# Altium PCB FlightControl.PcbDoc (part 2 of 4)
Units mil, origin at the board's own origin, x right, y up, seen from the top; angles counter-clockwise.
Board outline 3041.49 x 3041.4 mil, 2 copper layers (Top Layer, Bottom Layer); 85 components, 57 nets, 277 pads, 426 vias.
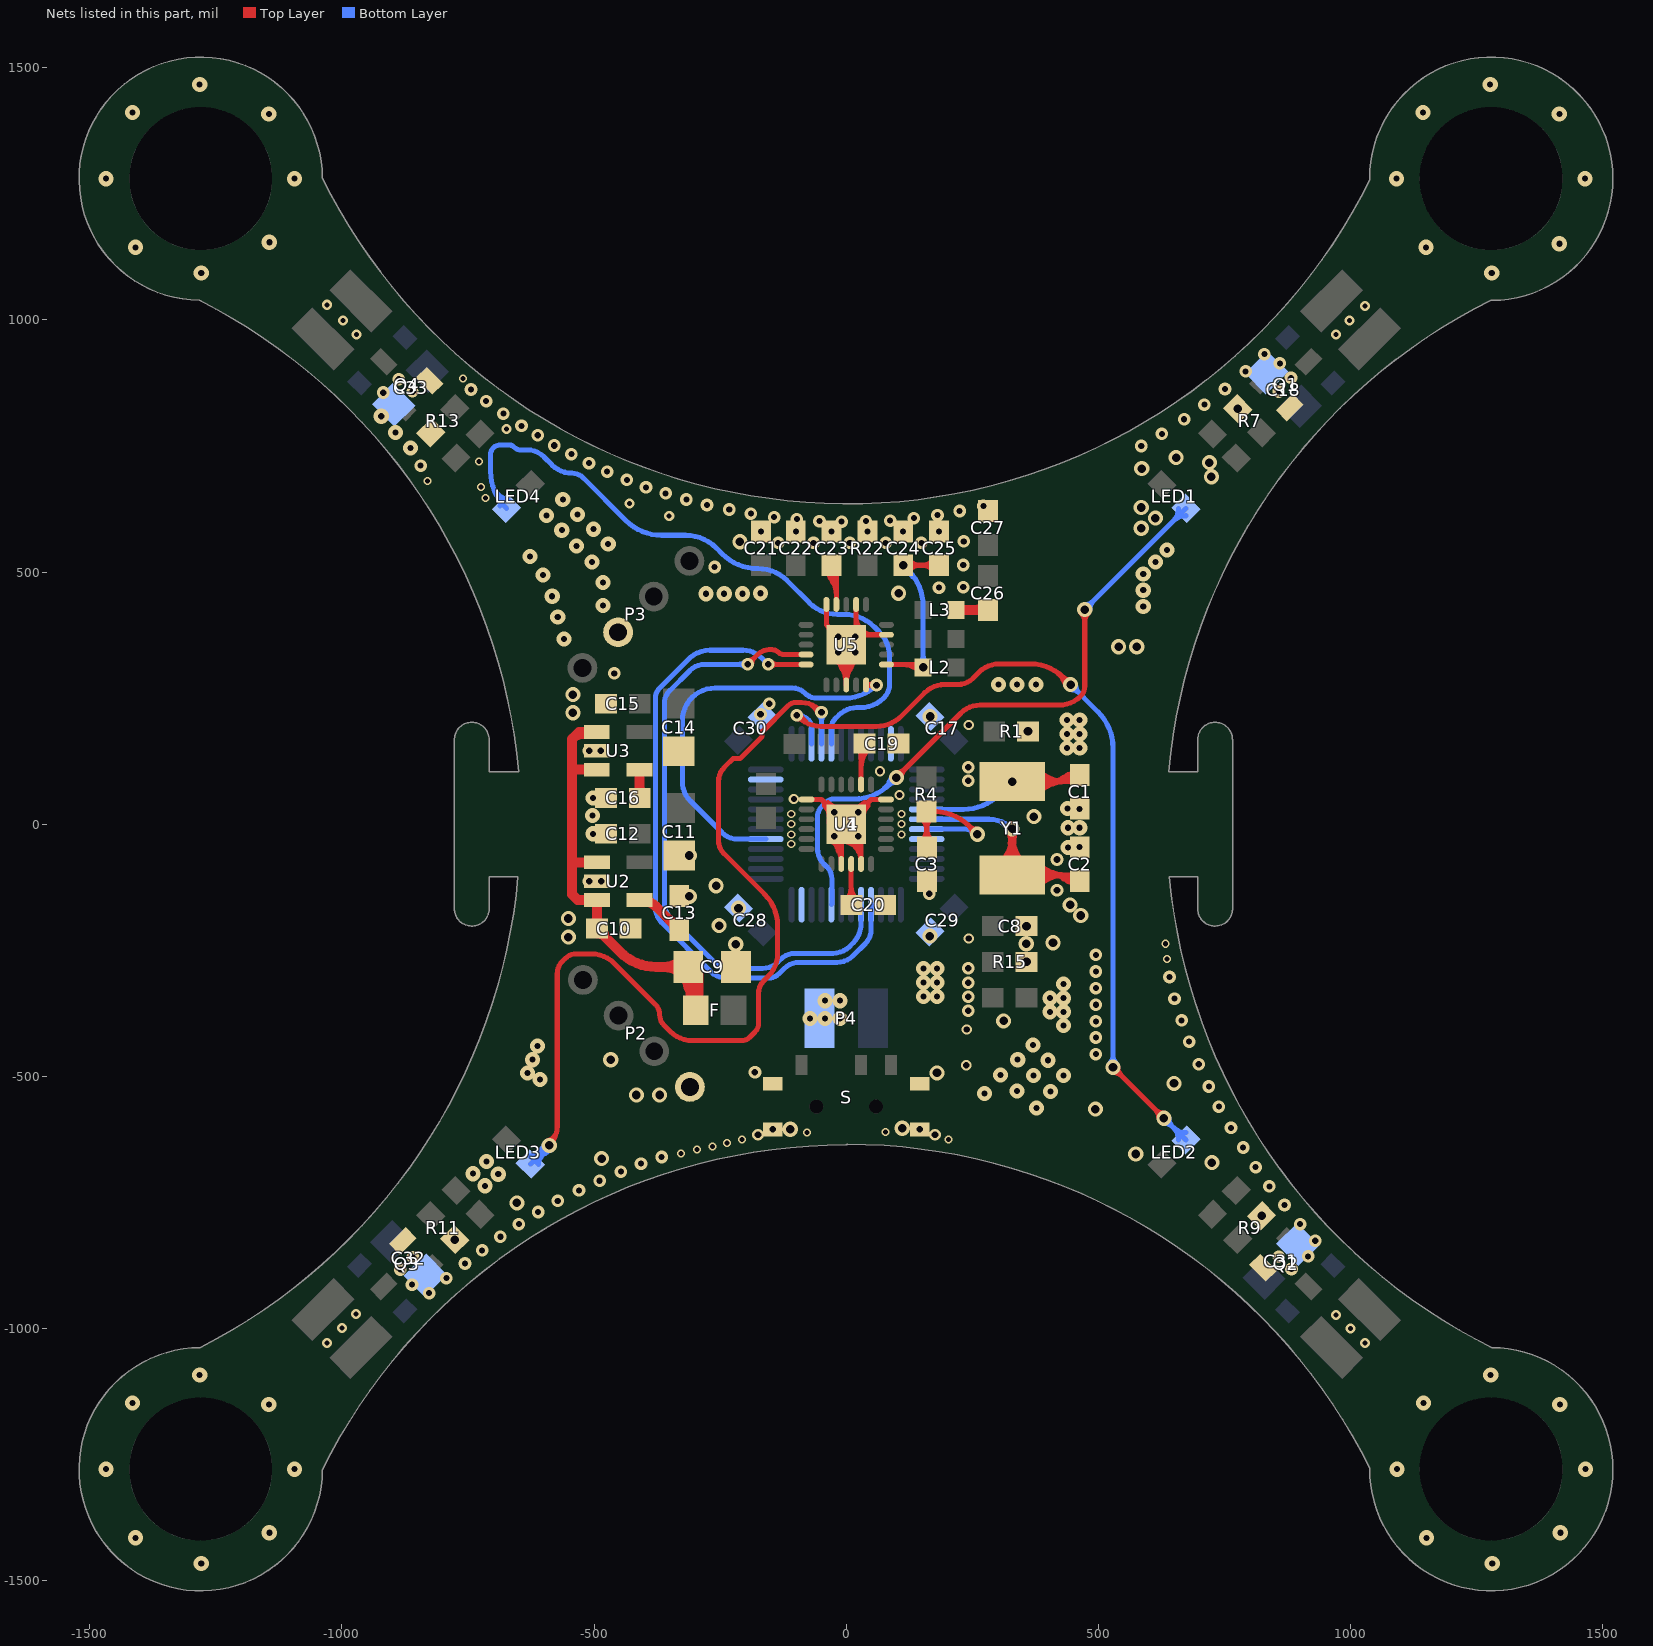
[diagram p2: the nets of this part, all layers, seen from the top]

## Via types
v1: diameter 30, hole 17, Top Layer to Bottom Layer, tented both sides, 126 vias
v2: diameter 30, hole 12, Top Layer to Bottom Layer, tented both sides, 112 vias
v3: diameter 25, hole 12, Top Layer to Bottom Layer, tented both sides, 92 vias
v4: diameter 25, hole 13, Top Layer to Bottom Layer, tented both sides, 36 vias
v5: diameter 16, hole 10, Top Layer to Bottom Layer, tented both sides, 22 vias
v6: diameter 20, hole 10, Top Layer to Bottom Layer, tented both sides, 15 vias
v7: diameter 25.98, hole 12.99, Top Layer to Bottom Layer, tented both sides, 8 vias
v8: diameter 20, hole 12, Top Layer to Bottom Layer, tented both sides, 7 vias
v9: diameter 23, hole 13, Top Layer to Bottom Layer, tented both sides, 5 vias
v10: diameter 30, hole 15, Top Layer to Bottom Layer, tented both sides, 3 vias

## Nets (pads, with @x,y where several pads share a name; then routed paths per layer and width w, separated by ;. In a path a pad name is that pad's centre, name@x,y a point inside that pad or via, vN(x,y) a via of type N, cw(c..) or ccw(c..) an arc to the next point about the centre after c; other vN are vias at no path point) (continued)
GND: C1.1 C2.1 C3.1 C8.1 C9.1 C10.1 C11.1 C12.1 C13.1 C14.1 C15.1 C16.1 C17.1 C18.1 C19.1 C20.1 C21.2 C22.2 C23.1 C24.2 C25.2 C27.1 C28.1 C29.1 C30.1 C31.1 C32.1 C33.1 P2.1 P3.2 P4.1 Q1.2 Q2.2 Q3.2 Q4.2 R1.1 R7.2 R9.2 R11.2 R13.2 R15.2 R22.2 S.4 U1.8 U1.23 U1.35 U1.47 U2.2 U3.2 U4.1 U4.9 U4.11 U4.18 U4.25 U5.8 U5.14 U5.17 U5.20 U5.21 | length 4637.1
  Top Layer w10: U4.1@-78.74,49.21 -49.21,49.21 ; -42.75,36.59 ccw(c-16.88,49.82) U4.25@-24.12,21.68 ; U5.20@-39.37,435.72 -39.37,395.37 -23.62,379.62 U5.21@0,356 ; U4.25@-36.95,36.08 cw(c-42.51,26.46) U4.25@-31.53,24.81 ; -36.59,42.75 cw(c-49.82,16.88) U4.25@-21.68,24.12 ; U4.25@-36.08,36.95 ccw(c-26.46,42.51) U4.25@-24.81,31.53 ; U4.25@-34.04,2.45 cw(c-2.3,2.89) U4.25@-25.06,25.02 ; U4.25@-34.07,4.53 ccw(c-86.88,11.54) -49.21,49.21 ; U4.25@-25.02,25.06 cw(c-2.89,2.3) U4.25@-2.45,34.04 ; U4.25@-24.16,3.21 ccw(c-61.6,8.18) -34.89,34.89 ccw(c-8.18,61.6) U4.25@-3.21,24.16 ; U5.21@-23.99,372 ccw(c-43.29,372) -29.64,385.64 ccw(c-16,399.29) U5.21@-16,379.99 ; U5.21@-23.6,331.01 cw(c-75.27,276.28) U5.8@0,276.28 ; U5.21@-21.65,335.35 cw(c-73.92,283.08) U5.8@0,283.08 ; U5.21@-17.85,333.22 cw(c-20.69,321.26) U5.21@-10.22,327.71 ; U5.21@-17.77,341.94 ccw(c0.62,332.16) U5.21@-16.75,320.67 ; U5.21@-16.73,338.28 cw(c-53.37,299.47) 0,299.47 cw(c53.37,299.47) U5.21@16.73,338.28 ; U5.21@-16,364.01 cw(c-16,344.71) -2.36,358.36 cw(c11.29,372) U5.21@-8.01,372 ; U5.21@-14.58,342.42 cw(c-49.78,307.22) 0,307.22 ; U4.9@-9.84,-78.74 -9.84,-9.84 U4.25@0,0 ; U5.21@-8.94,337.25 ccw(c17.51,323.18) -7.47,306.65 ; U5.21@-8.22,339.15 ccw(c17.35,333.08) U5.21@-5.03,319.29 ; U5.21@-7.51,349.49 cw(c-25.64,331.36) U5.21@0,331.36 ; U4.25@-6.53,-23.48 cw(c-19.72,-70.93) U4.11@29.53,-70.93 ; U4.25@-4.53,34.07 cw(c-11.54,86.88) -49.21,49.21 ; U4.25@-3.85,-13.84 cw(c-16.06,-57.77) 29.53,-57.77 ; U4.25@-1.28,-15.47 ccw(c10.27,2.77) U4.25@20.01,-16.49 ; U4.25@-1.17,-4.21 cw(c-12.41,-44.61) 29.53,-44.61 ; U5.21@0.94,356.94 cw(c18,339.88) U5.21@18,364.01 ; U4.25@1.51,5.42 cw(c-8.75,-31.45) U4.25@29.53,-31.45 ; U4.25@2.45,34.04 cw(c2.89,2.3) U4.25@25.02,25.06 ; U4.25@3.21,24.16 ccw(c8.18,61.6) 34.89,34.89 ccw(c61.6,8.18) U4.25@24.16,3.21 ; U4.25@4.53,34.07 ccw(c11.54,86.88) 49.21,49.21 ; U5.21@5.77,361.77 ccw(c-4.46,372) U5.21@10.01,372 ; U4.25@6.95,-10.22 cw(c-6.28,-28.1) U4.25@15.72,-24.8 ; 7.08,306.06 ccw(c-22.2,325.44) U5.21@10.55,338.12 ; U5.21@7.73,323.68 ccw(c-9.7,334.42) U5.21@10.22,339.15 ; U5.21@8.61,325.1 cw(c24.03,315.6) U5.21@19.85,333.22 ; U4.25@10.3,-12.69 ccw(c20.02,0.45) U4.25@22.44,-15.72 ; U5.21@12.35,377.65 ccw(c-5.36,395.36) U5.21@19.69,395.36 ; U4.25@12.43,-32.88 cw(c25.59,-25.8) U4.25@15.56,-14.72 ; U5.21@17.76,322.19 ccw(c-0.08,334) U5.21@19.87,341.72 ; 18.48,-44.13 cw(c34.42,-35.55) U4.25@22.27,-22.13 ; U5.21@19.69,387.22 ccw(c33.22,387.22) U5.21@23.65,377.65 ; U5.17@19.69,435.72 U5.21@19.69,375.69 ; U4.25@19.78,-30.63 cw(c10.86,-46.91) 28.68,-41.71 ; U4.25@21.68,24.12 cw(c49.82,16.88) 36.59,42.75 ; U5.21@23.6,331.01 ccw(c75.27,276.28) U5.8@0,276.28 ; U5.21@23.65,366.35 cw(c46.19,343.81) 46.19,375.69 ; U4.25@24.12,21.68 ccw(c16.88,49.82) 42.75,36.59 ; 24.53,-55.38 cw(c43.25,-45.31) U4.25@28.99,-29.55 ; U4.25@24.81,31.53 ccw(c26.46,42.51) U4.25@36.08,36.95 ; U4.25@25.06,25.02 cw(c2.3,2.89) U4.25@34.04,2.45 ; 26.95,-50.85 cw(c49.36,-42.49) U4.25@30.07,-28.35 ; 28.97,-42.7 cw(c48.2,-37.09) U4.25@30.63,-27.46 ; U4.11@29.53,-78.74 29.53,-29.53 v7(23.62,-23.62) U4.25@0,0 ; U4.25@31.53,24.81 cw(c42.51,26.46) U4.25@36.95,36.08 ; U4.25@34.07,4.53 cw(c86.88,11.54) 49.21,49.21 ; U4.18@78.74,49.21 49.21,49.21 ; U5.14@79.72,375.69 U5.21@19.69,375.69 ; -49.21,49.21 v7(-23.62,23.62) U4.25@0,0 ; U4.25@-37.27,37.27 ccw(c-23.62,50.91) U4.25@-23.62,31.61 ; U4.25@-37.27,37.27 cw(c-50.91,23.62) U4.25@-31.61,23.62 ; U4.25@-37.27,37.27 ccw(c-23.62,50.91) U4.25@-23.62,31.61 ; U4.25@-37.27,37.27 cw(c-50.91,23.62) U4.25@-31.61,23.62 ; U4.25@-37.27,37.27 ccw(c-23.62,50.91) U4.25@-23.62,31.61 ; U4.25@-37.27,37.27 cw(c-50.91,23.62) U4.25@-31.61,23.62 ; U5.21@-37.27,393.27 ccw(c-23.62,406.91) -23.62,387.61 cw(c-23.62,406.91) U5.21@-37.27,393.27 ; U5.21@-37.27,393.27 cw(c-50.91,379.62) -31.61,379.62 ccw(c-50.91,379.62) U5.21@-37.27,393.27 ; U4.25@-29.27,-29.27 cw(c-76.18,-76.18) U4.9@-9.84,-76.18 ; U4.25@-29.27,-29.27 cw(c-76.18,-76.18) U4.9@-9.84,-76.18 ; U4.25@-29.27,-29.27 cw(c-76.18,-76.18) U4.9@-9.84,-76.18 ; U4.25@-25.48,-22.86 ccw(c-10.06,-29.2) U4.25@-24.5,-37.54 ; U4.25@-25.48,-22.86 ccw(c-10.06,-29.2) U4.25@-24.5,-37.54 ; U4.25@-25.48,-22.86 ccw(c-10.06,-29.2) U4.25@-24.5,-37.54 ; U4.25@-25.32,-31.43 cw(c-30.06,-53.26) -10.72,-42.09 ; U4.25@-25.32,-31.43 cw(c-30.06,-53.26) -10.72,-42.09 ; U4.25@-25.32,-31.43 cw(c-30.06,-53.26) -10.72,-42.09 ; U4.25@-23.62,15.63 cw(c-23.62,-3.66) U4.25@-9.98,9.98 ; U4.25@-23.62,15.63 cw(c-23.62,-3.66) U4.25@-9.98,9.98 ; U4.25@-23.62,15.63 cw(c-23.62,-3.66) U4.25@-9.98,9.98 ; U4.25@-22.2,-22.2 cw(c-52.04,-52.04) -9.84,-52.04 ; U4.25@-22.2,-22.2 cw(c-52.04,-52.04) -9.84,-52.04 ; U4.25@-22.2,-22.2 cw(c-52.04,-52.04) -9.84,-52.04 ; U4.25@-16.23,-26.66 ccw(c13.69,-38.98) -14.33,-55.15 ; U4.25@-16.23,-26.66 ccw(c13.69,-38.98) -14.33,-55.15 ; U4.25@-16.23,-26.66 ccw(c13.69,-38.98) -14.33,-55.15 ; U4.25@-15.9,-25.69 ccw(c-3.66,-28.97) U4.25@-14.64,-35.31 ; U4.25@-15.9,-25.69 ccw(c-3.66,-28.97) U4.25@-14.64,-35.31 ; U4.25@-15.9,-25.69 ccw(c-3.66,-28.97) U4.25@-14.64,-35.31 ; U4.25@-15.63,23.62 ccw(c3.66,23.62) U4.25@-9.98,9.98 ; U4.25@-15.63,23.62 ccw(c3.66,23.62) U4.25@-9.98,9.98 ; U4.25@-15.63,23.62 ccw(c3.66,23.62) U4.25@-9.98,9.98 ; U4.25@-15.13,-15.13 cw(c-27.9,-27.9) U4.25@-9.84,-27.9 ; U4.25@-15.13,-15.13 cw(c-27.9,-27.9) U4.25@-9.84,-27.9 ; U4.25@-15.13,-15.13 cw(c-27.9,-27.9) U4.25@-9.84,-27.9 ; U5.21@-9.98,365.98 ccw(c-23.62,352.34) -23.62,371.63 cw(c-23.62,352.34) U5.21@-9.98,365.98 ; U5.21@-9.98,365.98 cw(c3.66,379.62) -15.63,379.62 ccw(c3.66,379.62) U5.21@-9.98,365.98 ; U4.25@0,0 v7(23.62,23.62) 49.21,49.21 ; U5.8@0,276.28 U5.21@0,356 ; U5.21@0,356 U5.21@19.69,375.69 ; U4.25@0.25,-15.21 ccw(c11.51,5.97) U4.25@20.59,-16.23 ; U4.25@0.25,-15.21 ccw(c11.51,5.97) U4.25@20.59,-16.23 ; U4.25@0.25,-15.21 ccw(c11.51,5.97) U4.25@20.59,-16.23 ; U4.25@0.25,-15.21 ccw(c11.51,5.97) U4.25@20.59,-16.23 ; U4.25@0.25,-15.21 ccw(c11.51,5.97) U4.25@20.59,-16.23 ; U4.25@9.98,-9.98 ccw(c23.62,3.66) U4.25@23.62,-15.63 ; U4.25@9.98,-9.98 cw(c-3.66,-23.62) U4.25@15.63,-23.62 ; U4.25@9.98,-9.98 ccw(c23.62,3.66) U4.25@23.62,-15.63 ; U4.25@9.98,-9.98 cw(c-3.66,-23.62) U4.25@15.63,-23.62 ; U4.25@9.98,-9.98 ccw(c23.62,3.66) U4.25@23.62,-15.63 ; U4.25@9.98,-9.98 cw(c-3.66,-23.62) U4.25@15.63,-23.62 ; U4.25@9.98,9.98 ccw(c-3.66,23.62) U4.25@15.63,23.62 ; U4.25@9.98,9.98 cw(c23.62,-3.66) U4.25@23.62,15.63 ; U4.25@9.98,9.98 ccw(c-3.66,23.62) U4.25@15.63,23.62 ; U4.25@9.98,9.98 cw(c23.62,-3.66) U4.25@23.62,15.63 ; U4.25@9.98,9.98 ccw(c-3.66,23.62) U4.25@15.63,23.62 ; U4.25@9.98,9.98 cw(c23.62,-3.66) U4.25@23.62,15.63 ; U5.21@9.98,365.98 ccw(c-3.66,379.62) 15.63,379.62 cw(c-3.66,379.62) U5.21@9.98,365.98 ; U5.21@9.98,365.98 cw(c23.62,352.34) 23.62,371.63 ccw(c23.62,352.34) U5.21@9.98,365.98 ; U4.25@17.97,-29.27 cw(c-9.93,-57.18) 29.53,-57.18 ; U4.25@17.97,-29.27 cw(c-9.93,-57.18) 29.53,-57.18 ; U4.25@17.97,-29.27 cw(c-9.93,-57.18) 29.53,-57.18 ; 19.43,-39.92 cw(c33.85,-33.1) U4.25@22.15,-22.26 ; 19.43,-39.92 cw(c33.85,-33.1) U4.25@22.15,-22.26 ; 19.43,-39.92 cw(c33.85,-33.1) U4.25@22.15,-22.26 ; 19.43,-39.92 cw(c33.85,-33.1) U4.25@22.15,-22.26 ; 19.43,-39.92 cw(c33.85,-33.1) U4.25@22.15,-22.26 ; U4.25@23.62,31.61 ccw(c23.62,50.91) U4.25@37.27,37.27 ; U4.25@23.62,31.61 ccw(c23.62,50.91) U4.25@37.27,37.27 ; U4.25@23.62,31.61 ccw(c23.62,50.91) U4.25@37.27,37.27 ; 25.75,-53.3 cw(c45.56,-43.94) U4.25@29.49,-29.05 ; 25.75,-53.3 cw(c45.56,-43.94) U4.25@29.49,-29.05 ; 25.75,-53.3 cw(c45.56,-43.94) U4.25@29.49,-29.05 ; 25.75,-53.3 cw(c45.56,-43.94) U4.25@29.49,-29.05 ; 25.75,-53.3 cw(c45.56,-43.94) U4.25@29.49,-29.05 ; 25.95,-43.1 cw(c34.8,-37.99) U4.25@28.53,-29.93 ; 25.95,-43.1 cw(c34.8,-37.99) U4.25@28.53,-29.93 ; 25.95,-43.1 cw(c34.8,-37.99) U4.25@28.53,-29.93 ; 28.01,-45.88 cw(c45.89,-39.1) U4.25@30.19,-28.18 ; 28.01,-45.88 cw(c45.89,-39.1) U4.25@30.19,-28.18 ; 28.01,-45.88 cw(c45.89,-39.1) U4.25@30.19,-28.18 ; 28.01,-45.88 cw(c45.89,-39.1) U4.25@30.19,-28.18 ; 28.01,-45.88 cw(c45.89,-39.1) U4.25@30.19,-28.18 ; 28.45,-47.42 ccw(c5.42,-60.72) 3.06,-34.23 cw(c5.42,-60.72) 28.45,-47.42 ; 28.45,-47.42 cw(c52.75,-33.39) 29.04,-18.38 ccw(c52.75,-33.39) 28.45,-47.42 ; U5.21@29.27,385.27 cw(c52.42,408.42) 19.69,408.42 ccw(c52.42,408.42) U5.21@29.27,385.27 ; U5.21@29.27,385.27 ccw(c52.42,408.42) 52.42,375.69 cw(c52.42,408.42) U5.21@29.27,385.27 ; U4.25@31.61,23.62 cw(c50.91,23.62) U4.25@37.27,37.27 ; U4.25@31.61,23.62 cw(c50.91,23.62) U4.25@37.27,37.27 ; U4.25@31.61,23.62 cw(c50.91,23.62) U4.25@37.27,37.27 ; U4.25@-4.47,-33.92 cw(c-9.58,-72.69) 29.53,-72.69 ccw(c-9.58,-72.69) U4.25@-4.47,-33.92 ; U4.25@-3.16,-24.01 cw(c-8.07,-61.28) 29.53,-61.28 ccw(c-8.07,-61.28) U4.25@-3.16,-24.01 ; U4.25@-1.86,-14.09 cw(c-6.57,-49.88) 29.53,-49.88 ccw(c-6.57,-49.88) U4.25@-1.86,-14.09 ; U4.25@2.17,-24.27 cw(c3.89,-43.52) 20.62,-33.86 ccw(c3.89,-43.52) U4.25@2.17,-24.27
  other v1: -776.34,-823.66 823.66,-776.34 -653,-751 725,-671 -485,-663 574,-654 -111,-605 111,-603 494,-565 -416,-537 -370,-537 650,-514 180,-493 -467,-467 312,-390 357.46,-273 -219,-238 357,-237 410,-235 -551,-224 166,-222 357.46,-202 -252,-201 -551,-187 465,-181 -213.66,-166.34 444,-160 -311,-143 -258,-122 -311,-62 372,15 360.46,184 166.34,213.66 -542,221 -542,257 540,352 576,352 104,458 -211,560 585,587 613,607 585,628 724,689 586,705 720,717 654,727 776.34,823.66
  other v2: -1279,-1466 1281,-1466 -1409,-1415 1151,-1415 -1144,-1405 1416,-1405 -1468,-1279 -1093.99,-1279 1092,-1279 1466.01,-1279 -1145,-1151 1415,-1151 -1415,-1148 1145,-1148 -1282,-1092 1278,-1092 -716,-717 -690,-694 -740,-693 -713,-669 377,-563 274,-534 405,-530 339,-529 -607,-506 371,-498 431,-498 306,-497 -632,-493 400,-468 -622,-467 340,-467 -612,-440 370,-438 431,-399 -72,-385 -42,-385 -12,-385 404,-372 431,-372 -42,-350 -12,-350 404,-345 431,-345 153,-342 180,-342 431,-317 153,-314 180,-314 153,-286 180,-286 440,-46 463,-45.54 -502,-19 440,-7 463,-7 -503,17 439,31 463,30.54 -502,52 438,151 463,151 438,179 463,179 438,207 463,207 302,277 339,277 376,277 -560,367 -572,411 589,432 -482,434 -583,452 -278,457 -242,457 -206,457 -170,458 589,464 -482,479 -601,494 589,496 -504,520 613,520 -627,531 636,544 -535,552 -472,556 -564,583 -501,585 -594,612 -533,614 -562,644 -864,746 -894,777 -922,809 -1279,1093 1280,1093 -1409,1144 1150,1144 1414,1151 -1144,1154 -1468,1280 -1093.99,1280 1091,1280 1465.01,1280 -1145,1408 1414,1408 -1415,1411 1144,1411 -1282,1467 1277,1467
  other v3: -827,-930 -861,-913 -793,-900 -884,-883 883,-882 -756,-871 -859,-859 858,-858 916,-857 -722,-845 930,-826 -686,-818 -649,-793 900,-793 -611,-769 869,-755 -572,-747 -530,-726 839,-718 -489,-707 -447,-689 812,-680 -407,-673 -366,-660 787,-641 763,-602 739,-560 719,-520 699,-476 495,-456 680,-431 495,-423 495,-391 665,-389 495,-358 651,-346 495,-325 641,-303 495,-292 495,-259 -460,299 184,469 232,470 -261,510 232,514 -135,558 -65,558 7,558 78,558 149,558 233,561 -169,580.46 -100,580.46 -29,580.46 42,580.46 113,580.46 184,580.46 -9,600 -53,601 39,601 87,602 -98,605 134,607 -143,609 181,613 -189,616 225,621 -232,624 272,631 -276,633 -317,644 -358,656 -397,668 -435,683 -474,699 -844,711 -510,716 -545,734 585,750 626,774 -644,790 670,803 -680,814 710,832 -714,839 858,858 -744,862 751,863 882,885 792,898 860,914 829,932
  other v4: -181,-492 242,-370 242,-342 242,-314 242,-286 165,-138 418,-131 -510,-113 -486,-113 418,-70 242,86 242,113 -510,146 -487,146 -170,218 -153,239 -579,751 -612,771 -918,856 -887,882
  other v5: -328,-653 -296,-645 -265,-639 -236,-632 -207,-625 203,-625 -78,-611 78,-610 636,-267 633,-237 -109,-39 -109,-20 110,-20 -109,0 110,0 -109,20 110,20 -715,647 -724,669 -830,681 -728,719 -760,884
  other v6: -1030,-1029 1029,-1029 1000,-1000 -1000,-999 971,-973 -972,-971 -351,611 -430,636 -674,784 -971,971 971,971 -998,999 998,999 1029,1028 -1030,1030
  other v7: -23.62,-23.62 -16,341 18,341 -16,372 18,372
  other v8: 238,-478 239,-407 243,-227 -104,50 106,58 67,105 243,197
  other v9: -175,-616 176,-616 -145.67,-605.28 145.67,-605.28 -860,858
LED1: LED1.2 U1.20 | length 2031.9
  Top Layer w10: 464.97,253.97 cw(c421.54,297.46) 421.54,236 265,236 ccw(c265,182.87) 227.43,220.44 v1(99.5,92.5) ; 465.01,254.01 ccw(c445.69,273.31) 473,273.31 v1(473,425.67) ; v1(99.5,92.5) ccw(c95.99,109.63) 112.87,105.1 ; v1(99.5,92.5) cw(c116.62,89) 112.09,105.88 ; v1(99.5,92.5) ccw(c95.99,109.63) 112.87,105.1 ; v1(99.5,92.5) cw(c116.62,89) 112.09,105.88 ; v1(99.5,92.5) ccw(c95.99,109.63) 112.87,105.1 ; v1(99.5,92.5) cw(c116.62,89) 112.09,105.88 ; v1@99.5,102.5 ccw(c99.5,126.65) 116.57,109.58 ; v1@99.5,102.5 ccw(c99.5,126.65) 116.57,109.58 ; v1@99.5,102.5 ccw(c99.5,126.65) 116.57,109.58 ; v1@109.5,92.5 cw(c133.64,92.5) 116.57,109.58 ; v1@109.5,92.5 cw(c133.64,92.5) 116.57,109.58 ; v1@109.5,92.5 cw(c133.64,92.5) 116.57,109.58 ; v1@465.93,418.6 cw(c448.86,401.53) 473,401.53 ; v1@465.93,418.6 cw(c448.86,401.53) 473,401.53 ; v1@465.93,418.6 cw(c448.86,401.53) 473,401.53 ; 473,401.53 cw(c497.14,401.53) v1@480.07,418.6 ; 473,401.53 cw(c497.14,401.53) v1@480.07,418.6 ; 473,401.53 cw(c497.14,401.53) v1@480.07,418.6
  Bottom Layer w10: U1.20@-29.53,-159.45 -28.62,-158.54 -28.62,-108 ccw(c-61.51,-108) -38.25,-84.75 -44,-79 cw(c-12.62,-47.62) -57,-47.62 -57,14.1 cw(c-26.27,14.1) -48.02,35.81 -40.77,43.05 cw(c-24,26.28) -24,50 15.57,50 ccw(c15.57,150) 86.28,79.29 v1(99.5,92.5) ; v1(473,425.67) LED1.2@673.66,626.34 ; 75.69,71.69 ccw(c55.58,99.74) v1@89.63,94.13 ; 75.69,71.69 ccw(c55.58,99.74) v1@89.63,94.13 ; 75.69,71.69 ccw(c55.58,99.74) v1@89.63,94.13 ; 87.6,80.24 cw(c95.63,69.05) v1@97.87,82.64 ; 87.6,80.24 cw(c95.63,69.05) v1@97.87,82.64 ; 87.6,80.24 cw(c95.63,69.05) v1@97.87,82.64 ; v1(99.5,92.5) ccw(c98.77,77.23) 84.83,83.53 cw(c98.77,77.23) v1(99.5,92.5) ; v1@473,435.67 ccw(c473,459.81) 490.07,442.74 ; v1@473,435.67 ccw(c473,459.81) 490.07,442.74 ; v1@473,435.67 ccw(c473,459.81) 490.07,442.74 ; v1@483,425.67 cw(c507.14,425.67) 490.07,442.74 ; v1@483,425.67 cw(c507.14,425.67) 490.07,442.74 ; v1@483,425.67 cw(c507.14,425.67) 490.07,442.74 ; 648.6,601.27 ccw(c623.53,626.34) LED1.2@658.98,626.34 ; 648.6,601.27 cw(c673.66,576.2) LED1.2@673.66,611.65 ; 648.6,601.27 ccw(c623.53,626.34) LED1.2@658.98,626.34 ; 648.6,601.27 cw(c673.66,576.2) LED1.2@673.66,611.65 ; 648.6,601.27 ccw(c623.53,626.34) LED1.2@658.98,626.34 ; 648.6,601.27 cw(c673.66,576.2) LED1.2@673.66,611.65
LED2: LED2.2 U1.39 | length 3155.3
  Top Layer w10: v4@-98,215 -96.31,213.31 ccw(c-50,259.61) -50,194.13 59.61,194.13 ccw(c59.61,265.39) 110,215 155.74,260.74 cw(c195,221.47) 195,277 221.51,277 ccw(c221.51,319.23) 251.35,289.35 263.74,301.74 cw(c303,262.47) 303,318 365,318 cw(c365,224.15) 431.36,290.51 ; v4@-96.05,208.76 cw(c-92.68,196.21) -86.19,207.47 ; v4@-96.05,208.76 cw(c-92.68,196.21) -86.19,207.47 ; v4@-96.05,208.76 cw(c-92.68,196.21) -86.19,207.47 ; v4@-95.65,208.88 cw(c-92.19,198.41) -82.65,203.93 ; v4@-95.65,208.88 cw(c-92.19,198.41) -82.65,203.93 ; v4@-95.65,208.88 cw(c-92.19,198.41) -82.65,203.93 ; v4@-90.76,217.95 ccw(c-68.33,223.97) -79.93,203.85 ; v4@-90.76,217.95 ccw(c-68.33,223.97) -79.93,203.85 ; v4@-90.76,217.95 ccw(c-68.33,223.97) -79.93,203.85 ; 420.7,298.04 cw(c400.32,269.17) v1@435.15,275.17 ; 420.7,298.04 cw(c400.32,269.17) v1@435.15,275.17 ; 420.7,298.04 cw(c400.32,269.17) v1@435.15,275.17 ; 430.41,291.18 cw(c423.51,281.41) v1@435.22,278.94 ; 430.41,291.18 cw(c423.51,281.41) v1@435.22,278.94 ; 430.41,291.18 cw(c423.51,281.41) v1@435.22,278.94 ; 431.36,290.51 ccw(c440.98,300.13) v1@443.3,286.73 ; 431.36,290.51 cw(c421.75,280.9) v1@435.15,278.58 ; 431.36,290.51 ccw(c440.98,300.13) v1@443.3,286.73 ; 431.36,290.51 cw(c421.75,280.9) v1@435.15,278.58 ; 431.36,290.51 ccw(c440.98,300.13) v1@443.3,286.73 ; 431.36,290.51 cw(c421.75,280.9) v1@435.15,278.58 ; 431.36,290.51 v1(445,276.87) ; 433.63,288.91 ccw(c441.1,299.49) v1@443.3,286.73 ; 433.63,288.91 ccw(c441.1,299.49) v1@443.3,286.73 ; 433.63,288.91 ccw(c441.1,299.49) v1@443.3,286.73 ; 433.63,288.91 ccw(c441.1,299.49) v1@443.3,286.73 ; 433.63,288.91 ccw(c441.1,299.49) v1@443.3,286.73 ; 433.63,288.91 ccw(c441.1,299.49) v1@443.3,286.73 ; v1(445,276.87) cw(c444.23,292.27) 430.23,285.81 ccw(c444.23,292.27) v1(445,276.87) ; v1@529,-492 cw(c529,-516.14) 546.07,-499.07 ; v1@529,-492 cw(c529,-516.14) 546.07,-499.07 ; v1@529,-492 cw(c529,-516.14) 546.07,-499.07 ; v1(529,-482) ccw(c546.12,-478.49) 541.6,-495.38 ; v1(529,-482) cw(c525.49,-499.12) 542.38,-494.6 ; v1(529,-482) ccw(c546.12,-478.49) 541.6,-495.38 ; v1(529,-482) cw(c525.49,-499.12) 542.38,-494.6 ; v1(529,-482) ccw(c546.12,-478.49) 541.6,-495.38 ; v1(529,-482) cw(c525.49,-499.12) 542.38,-494.6 ; v1(529,-482) v1(630,-583) ; v1@539,-482 ccw(c563.14,-482) 546.07,-499.07 ; v1@539,-482 ccw(c563.14,-482) 546.07,-499.07 ; v1@539,-482 ccw(c563.14,-482) 546.07,-499.07 ; 612.93,-565.93 ccw(c630,-548.86) v1@630,-573 ; 612.93,-565.93 cw(c595.86,-583) v1@620,-583 ; 612.93,-565.93 ccw(c630,-548.86) v1@630,-573 ; 612.93,-565.93 cw(c595.86,-583) v1@620,-583 ; 612.93,-565.93 ccw(c630,-548.86) v1@630,-573 ; 612.93,-565.93 cw(c595.86,-583) v1@620,-583 ; 616.62,-570.4 ccw(c633.51,-565.88) v1(630,-583) ; 616.62,-570.4 ccw(c633.51,-565.88) v1(630,-583) ; 616.62,-570.4 ccw(c633.51,-565.88) v1(630,-583) ; 617.4,-569.62 cw(c612.88,-586.51) v1(630,-583) ; 617.4,-569.62 cw(c612.88,-586.51) v1(630,-583) ; 617.4,-569.62 cw(c612.88,-586.51) v1(630,-583)
  Bottom Layer w10: v4@-98,215 -94.31,215 cw(c-94.31,187.69) -75.01,207.01 cw(c-89.73,192.27) -68.9,192.27 U1.39@-68.9,159.45 ; v1(445,276.87) 499.71,222.16 cw(c429,151.45) 529,151.45 v1(529,-482) ; v1(630,-583) 630.33,-583 LED2.2@673.66,-626.34 ; v4@-94.22,209.52 cw(c-85.25,194.12) -80.64,211.34 ; v4@-94.22,209.52 cw(c-85.25,194.12) -80.64,211.34 ; v4@-94.22,209.52 cw(c-85.25,194.12) -80.64,211.34 ; v4@-91.48,219.71 ccw(c-76.04,228.5) -80.64,211.34 ; v4@-91.48,219.71 ccw(c-76.04,228.5) -80.64,211.34 ; v4@-91.48,219.71 ccw(c-76.04,228.5) -80.64,211.34 ; v1@445,266.87 cw(c445,242.73) 462.07,259.8 ; v1@445,266.87 cw(c445,242.73) 462.07,259.8 ; v1@445,266.87 cw(c445,242.73) 462.07,259.8 ; v1@455,276.87 ccw(c479.14,276.87) 462.07,259.8 ; v1@455,276.87 ccw(c479.14,276.87) 462.07,259.8 ; v1@455,276.87 ccw(c479.14,276.87) 462.07,259.8 ; v1@521.93,-474.93 ccw(c504.86,-457.86) 529,-457.86 ; v1@521.93,-474.93 ccw(c504.86,-457.86) 529,-457.86 ; v1@521.93,-474.93 ccw(c504.86,-457.86) 529,-457.86 ; 529,-457.86 ccw(c553.14,-457.86) v1@536.07,-474.93 ; 529,-457.86 ccw(c553.14,-457.86) v1@536.07,-474.93 ; 529,-457.86 ccw(c553.14,-457.86) v1@536.07,-474.93 ; v1@630,-593 cw(c630,-617.93) 647.63,-600.3 ; v1@630,-593 cw(c630,-617.93) 647.63,-600.3 ; v1@630,-593 cw(c630,-617.93) 647.63,-600.3 ; v1@640,-583 ccw(c663.35,-583) 646.84,-599.51 ; v1@640,-583 ccw(c663.35,-583) 646.84,-599.51 ; v1@640,-583 ccw(c663.35,-583) 646.84,-599.51 ; 648.6,-601.27 ccw(c673.66,-576.2) LED2.2@673.66,-611.65 ; 648.6,-601.27 cw(c623.53,-626.34) LED2.2@658.98,-626.34 ; 648.6,-601.27 ccw(c673.66,-576.2) LED2.2@673.66,-611.65 ; 648.6,-601.27 cw(c623.53,-626.34) LED2.2@658.98,-626.34 ; 648.6,-601.27 ccw(c673.66,-576.2) LED2.2@673.66,-611.65 ; 648.6,-601.27 cw(c623.53,-626.34) LED2.2@658.98,-626.34
  other v4: -98,216
LED3: LED3.2 U1.40 | length 3646.8
  Top Layer w10: v1(-589,-637) ccw(c-627.63,-598.37) -573,-598.37 -573,-296 cw(c-539.2,-296) -563.11,-272.11 -557,-266 cw(c-535.27,-287.73) -535.27,-257 -505.87,-257 cw(c-505.87,-321.87) -460,-276 -378.49,-357.51 ; -378.47,-357.53 cw(c-398.97,-378) -370,-378 ccw(c-341.03,-378) -361.53,-398.47 ; -361.51,-398.49 -349.38,-410.62 ; -349.36,-410.64 ccw(c-305,-366.23) -305,-429 -206.49,-429 ccw(c-206.49,-408.51) -192,-423 -181,-412 ccw(c-198.2,-394.8) -173.88,-394.8 -173.88,-335 cw(c-139.77,-335) -163.91,-310.91 -154.94,-301.94 ccw(c-200.66,-256.22) -136,-256.22 -136,-201.1 ccw(c-223.82,-201.1) -161.71,-139.02 -243,-57.72 cw(c-218.26,-32.98) -253.25,-32.98 -253.25,85 cw(c-213.48,85) -241.6,113.12 -241,113.72 -224.72,130 -210.58,130 -167,173.58 -167,183 -114.73,235.27 cw(c-100,220.55) -100,241.37 -88.5,241.37 cw(c-88.5,192.79) -54.17,227.17 v4(-49,222) ; v1@-591.59,-627.34 ccw(c-597.86,-604) -576.92,-616.07 ; v1@-591.59,-627.34 ccw(c-597.86,-604) -576.92,-616.07 ; v1@-591.59,-627.34 ccw(c-597.86,-604) -576.92,-616.07 ; v1@-579.34,-634.41 cw(c-556.05,-628.15) -576.94,-616.1 ; v1@-579.34,-634.41 cw(c-556.05,-628.15) -576.94,-616.1 ; v1@-579.34,-634.41 cw(c-556.05,-628.15) -576.94,-616.1 ; -67.71,234.97 cw(c-79.98,213.68) v4@-56.24,220.05 ; -67.71,234.97 cw(c-79.98,213.68) v4@-56.24,220.05 ; -67.71,234.97 cw(c-79.98,213.68) v4@-56.24,220.05 ; -64.7,234.68 ccw(c-54.4,240.63) v4@-51.09,229.2 ; -64.7,234.68 ccw(c-54.4,240.63) v4@-51.09,229.2 ; -64.7,234.68 ccw(c-54.4,240.63) v4@-51.09,229.2 ; -59.78,230.4 ccw(c-53.96,240.48) v4@-50.95,229.24 ; -59.78,230.4 ccw(c-53.96,240.48) v4@-50.95,229.24 ; -59.78,230.4 ccw(c-53.96,240.48) v4@-50.95,229.24